# Altium PCB PLC1.PcbDoc (part 3 of 4)
Units mm, origin at the board's own origin, x right, y up, seen from the top; angles counter-clockwise.
Board outline 175 x 81 mm, 2 copper layers (Top Layer, Bottom Layer), stack 1.471 mm thick; 331 components, 300 nets, 1273 pads, 660 vias.
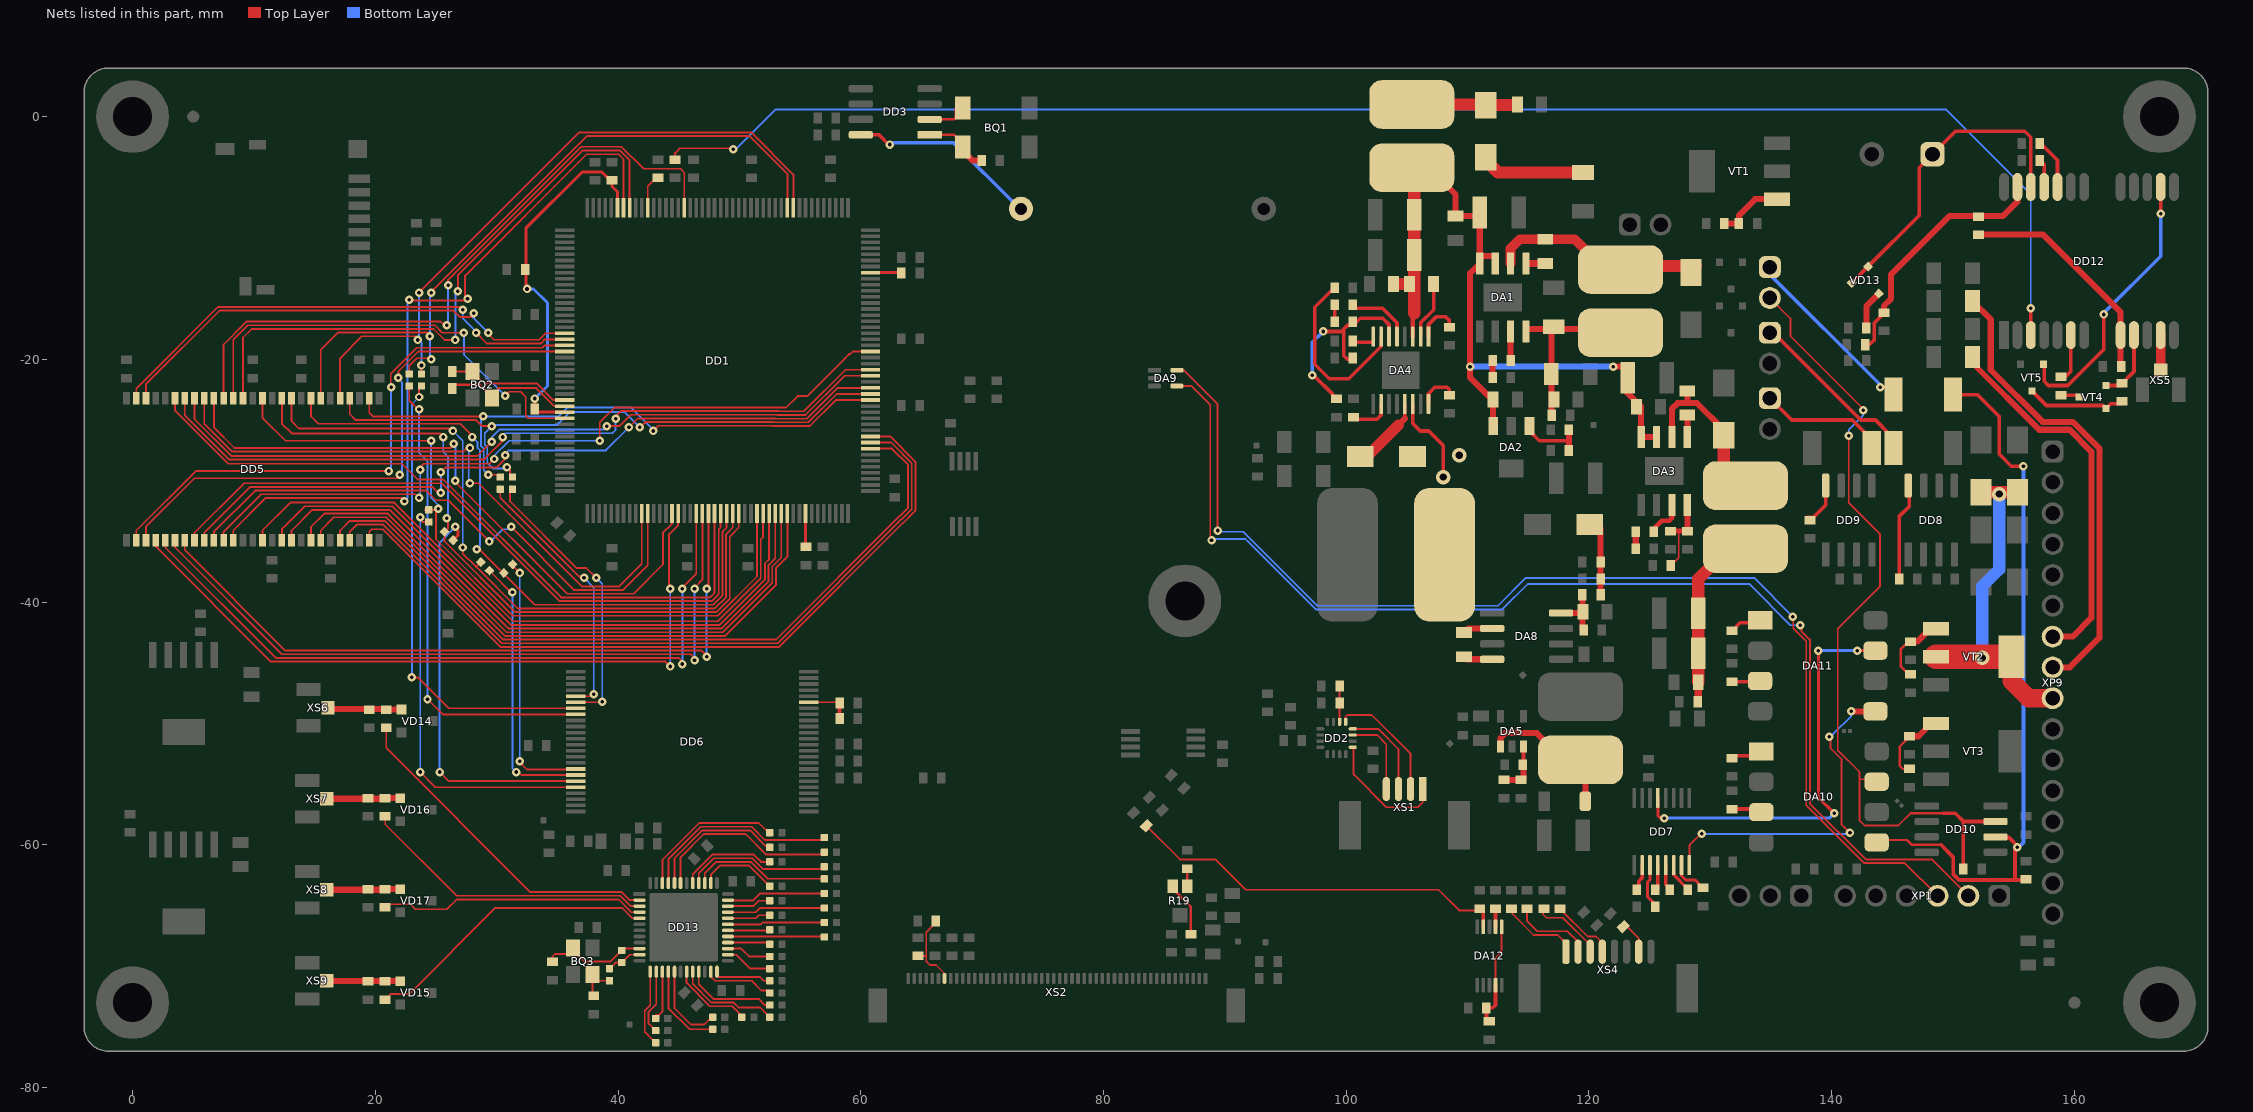
[diagram p3: the nets of this part, all layers, seen from the top]

## Via types
v1: diameter 0.7, hole 0.3, Top Layer to Bottom Layer, tented both sides, 643 vias
v2: diameter 1.2, hole 0.6, Top Layer to Bottom Layer, tented both sides, 16 vias
v3: diameter 0.7, hole 0.3, Top Layer to Bottom Layer, tented top, 1 vias

## Nets (pads, with @x,y where several pads share a name; then routed paths per layer and width w, separated by ;. In a path a pad name is that pad's centre, name@x,y a point inside that pad or via, vN(x,y) a via of type N, cw(c..) or ccw(c..) an arc to the next point about the centre after c; other vN are vias at no path point) (continued)
MEM_A2: DD1.18 DD5.25 | length 40.4
  Top Layer w0.15: DD5.25@1.1,-23.2 1.1,-22.045 7.161,-15.983 26.439,-15.983 26.955,-16.5 27.9,-16.5 28.1,-16.3 v1(28.1,-16.2) ; v1(29.3,-17.8) 29.4,-17.9 29.3,-17.9 29.777,-18.377 33.523,-18.377 34.05,-17.85 DD1.18@35.6,-17.85
  Bottom Layer w0.15: v1(28.1,-16.2) 28.1,-16.3 27.9,-16.3 27.9,-16.4 v1(29.3,-17.8)
MEM_A3: DD1.19 DD5.26 | length 41
  Top Layer w0.15: DD5.26@0.3,-23.2 0.3,-22.417 7.036,-15.681 26.881,-15.681 27.2,-16 v1(27.2,-15.9) ; v1(28.3,-17.8) 29.2,-18.7 33.628,-18.7 33.978,-18.35 DD1.19@35.6,-18.35
  Bottom Layer w0.15: v1(27.2,-15.9) 27.2,-16.6 28.4,-17.8 v1(28.3,-17.8)
MEM_A4: DD1.20 DD5.29 | length 47.1
  Top Layer w0.15: DD5.29@0.3,-34.9 0.3,-34.1 5.2,-29.2 v1(21.1,-29.2) ; v1(21.3,-22.3) 21.272,-22.272 21.272,-21.2 23.427,-19.045 33.755,-19.045 33.95,-18.85 DD1.20@35.6,-18.85
  Bottom Layer w0.15: v1(21.1,-29.2) 21.3,-29.2 v1(21.3,-22.3)
MEM_A5: DD1.21 DD5.30 | length 47.5
  Top Layer w0.15: DD5.30@1.1,-34.9 1.1,-33.8 5.1,-29.8 21.9,-29.8 22.2,-29.5 v1(22,-29.5) ; v1@21.9,-21.6 21.9,-21 23.55,-19.35 DD1.21@35.6,-19.35
  Bottom Layer w0.15: v1(21.9,-21.5) 21.9,-21.6 22.2,-21.9 22.2,-29.5 v1(22,-29.5)
MEM_A6: DD1.60 DD5.31 | length 60
  Top Layer w0.15: DD5.31@1.9,-34.9 1.9,-35.4 11.4,-44.9 43.9,-44.9 v1(44.3,-45.3) ; v1(44.3,-38.9) 44.2,-38.8 44.2,-36.828 44.202,-36.825 44.202,-34.398 44.95,-33.65 DD1.60@44.95,-32.7
  Bottom Layer w0.15: v1(44.3,-45.3) v1(44.3,-38.9)
MEM_A7: DD1.63 DD5.32 | length 60.3
  Top Layer w0.15: DD5.32@2.7,-34.9 2.7,-35.5 11.798,-44.598 44.998,-44.598 45.4,-45 v1(45.3,-45.1) ; v1(45.3,-38.9) 45.3,-38.8 46.45,-37.65 DD1.63@46.45,-32.7
  Bottom Layer w0.15: v1(45.3,-45.1) 45.4,-45 45.3,-44.9 v1(45.3,-38.9)
MEM_A8: DD1.64 DD5.33 | length 59.9
  Top Layer w0.15: DD5.33@3.5,-34.9 3.5,-35.5 12.295,-44.295 45.993,-44.295 46.398,-44.7 46.4,-44.7 v1(46.3,-44.8) ; v1(46.3,-38.9) 46.3,-38.8 46.95,-38.15 DD1.64@46.95,-32.7
  Bottom Layer w0.15: v1(46.3,-44.8) 46.4,-44.7 46.3,-44.6 v1(46.3,-38.9)
MEM_A9: DD1.65 DD5.34 | length 59.7
  Top Layer w0.15: DD5.34@4.3,-34.9 4.3,-35.7 12.593,-43.993 46.893,-43.993 47.4,-44.5 v1(47.3,-44.5) ; v1(47.3,-38.9) 47.4,-38.9 47.45,-38.85 DD1.65@47.45,-32.7
  Bottom Layer w0.15: v1(47.3,-44.5) 47.4,-44.5 47.3,-44.4 v1(47.3,-38.9)
MEM_A10: DD1.66 DD5.22 | length 58.6
  Top Layer w0.15: DD5.22@3.5,-23.2 3.5,-24.228 7.682,-28.41 7.872,-28.6 22.2,-28.6 23.5,-29.9 25.6,-29.9 35.31,-39.61 47.59,-39.61 47.952,-39.248 47.952,-32.702 DD1.66@47.95,-32.7
MEM_A11: DD1.67 DD5.35 | length 56.5
  Top Layer w0.15: DD5.35@5.1,-34.9 5.1,-34.3 9.2,-30.2 9.3,-30.2 9.302,-30.202 25.475,-30.202 35.184,-39.912 47.716,-39.912 48.293,-39.335 48.293,-34.007 48.45,-33.85 DD1.67@48.45,-32.7
MEM_A12: DD1.106 DD5.36 | length 62.7
  Top Layer w0.15: DD5.36@5.9,-34.9 5.9,-34.3 9.695,-30.505 24.705,-30.505 25.1,-30.9 25.5,-30.9 v1(25.4,-31) ; v1(25.4,-29.3) 25.8,-28.9 30,-28.9 30.7,-28.2 30.7,-27.8 v1@30.85,-27.65 ; v1(40.9,-25.6) 41.63,-24.87 52.971,-24.87 52.985,-24.885 55.56,-24.885 58.095,-22.35 DD1.106@60.8,-22.35
  Bottom Layer w0.15: v1(25.4,-31) 25.5,-30.9 25.4,-30.8 v1(25.4,-29.3) ; v1(30.7,-27.9) 30.731,-27.869 30.731,-27.831 30.7,-27.8 31,-27.5 39,-27.5 v1(40.9,-25.6)
MEM_BA0: DD1.108 DD5.20 | length 62.4
  Top Layer w0.15: DD5.20@5.1,-23.2 5.1,-24.2 5.1,-24.928 8.125,-27.953 28.42,-27.953 v1@29.681,-26.691 ; v1(39.075,-25.5) 39.3,-25.5 39.277,-25.477 40.123,-25.477 41.032,-24.568 53.096,-24.568 53.11,-24.582 55.435,-24.582 58.667,-21.35 DD1.108@60.8,-21.35
  Bottom Layer w0.15: v1(29.6,-26.8) 29.6,-26.4 30.219,-25.781 38.819,-25.781 39.2,-25.4 39.3,-25.5 v1(39.075,-25.5)
MEM_BA1: DD1.109 DD5.21 | length 63.9
  Top Layer w0.15: DD5.21@4.3,-23.2 4.3,-24.6 4.753,-25.053 7.955,-28.255 28.945,-28.255 29.823,-27.377 29.839,-27.377 30.5,-26.717 v1(30.5,-26.4) ; v1(39.825,-24.9) 39.875,-24.9 40.025,-24.75 40,-24.725 40,-24.7 39.9,-24.6 40.235,-24.265 53.221,-24.265 53.236,-24.28 55.31,-24.28 58.739,-20.85 DD1.109@60.8,-20.85
  Bottom Layer w0.15: v1(30.5,-26.4) 30.4,-26.4 30.716,-26.084 39.533,-26.084 39.8,-25.817 39.8,-24.8 v1@39.9,-24.7
MEM_D0: DD1.104 DD5.2 R29.2 | length 51
  Top Layer w0.15: DD5.2@19.5,-23.2 19.5,-24.4 19.798,-24.698 v1(28.902,-24.698) ; v1(29.3,-29.5) 30.1,-29.5 R29.2@30.3,-29.7 ; v1(42.9,-25.9) 43.325,-25.475 52.72,-25.475 52.735,-25.489 55.811,-25.489 57.95,-23.35 DD1.104@60.8,-23.35
  Bottom Layer w0.15: v1(29.3,-29.5) 28.927,-29.127 28.927,-27.372 28.72,-27.164 28.72,-24.88 28.9,-24.7 35.1,-24.7 35.825,-23.975 41.075,-23.975 42.9,-25.8 v1(42.9,-25.9)
MEM_D1: DD1.105 DD5.4 R34.2 | length 53.8
  Top Layer w0.15: DD5.4@17.9,-23.2 17.9,-24.5 18.4,-25 28.3,-25 28.8,-25.5 v1(29.6,-25.5) ; v1(30.85,-28.875) 30.975,-28.875 31.1,-29 31.1,-29.5 R34.2@31.3,-29.7 ; v1(41.8,-25.6) 42.227,-25.173 52.845,-25.173 52.86,-25.187 55.685,-25.187 58.022,-22.85 DD1.105@60.8,-22.85
  Bottom Layer w0.15: v1(30.85,-28.875) 30.975,-28.875 31.1,-29 29.7,-29 29.23,-28.53 29.23,-27.246 29.023,-27.039 29.023,-26.077 v1(29.6,-25.5) 29.5,-25.4 35,-25.4 36.077,-24.323 40.523,-24.323 v1(41.8,-25.6)
MEM_D2: DD1.142 DD5.5 R30.2 | length 58.2
  Top Layer w0.15: DD5.5@17.1,-23.2 17.1,-19.9 18.9,-18.1 23.3,-18.1 23.6,-18.4 v1(23.5,-18.4) ; R30.2@23.6,-21.2 23.8,-21 v1@23.8,-20.3 ; v1@23.7,-14.4 36.798,-1.302 50.974,-1.302 54.45,-4.778 DD1.142@54.45,-7.5
  Bottom Layer w0.15: v1(23.6,-14.5) 23.6,-18.4 23.8,-18.6 v1(23.8,-20.5)
MEM_D3: DD1.143 DD5.7 R35.2 | length 60.4
  Top Layer w0.15: DD5.7@15.5,-23.2 15.5,-19.2 16.902,-17.798 24.298,-17.798 v1@24.5,-18 ; R35.2@22.8,-21.2 22.8,-20.528 23.428,-19.9 24.5,-19.9 v1@24.5,-20 ; v1@24.6,-14.428 37.423,-1.605 50.849,-1.605 53.952,-4.708 53.952,-7.498 DD1.143@53.95,-7.5
  Bottom Layer w0.15: 24.55,-14.85 24.5,-14.9 v1(24.5,-18.1) 24.5,-19.9 v1(24.6,-20)
  other v1: 24.6,-14.5
MEM_D4: DD1.68 DD5.8 R31.2 | length 54.8
  Top Layer w0.15: DD5.8@14.7,-23.2 14.7,-24.7 15.302,-25.302 27.002,-25.302 28,-26.3 v1@28,-26.5 ; v1@28.3,-35.6 28.517,-35.6 33.131,-40.214 47.841,-40.214 48.595,-39.46 48.595,-34.205 48.948,-33.852 DD1.68@48.95,-32.7
  Bottom Layer w0.15: v1(28,-26.4) 28.418,-26.818 28.418,-27.29 28.625,-27.497 28.625,-35.375 v1(28.352,-35.648) v1@28.3,-35.7
MEM_D5: DD1.69 DD5.10 R36.2 | length 57.2
  Top Layer w0.15: DD5.10@13.1,-23.2 13.1,-25.1 13.698,-25.698 26.198,-25.698 v1(26.4,-25.9) ; v1(27.2,-35.5) 27.2,-36 28.3,-37.1 ; R36.2@28.7,-36.7 28.3,-37.1 ; DD1.69@49.45,-32.7 49.45,-33.85 48.898,-34.402 48.898,-39.585 47.966,-40.517 31.717,-40.517 28.3,-37.1
  Bottom Layer w0.15: v1(26.4,-25.9) 27.2,-26.7 v1@27.2,-35.15
MEM_D6: DD1.70 DD5.11 R32.2 | length 58.6
  Top Layer w0.15: DD5.11@12.3,-23.2 12.3,-25.3 13.1,-26.1 25.399,-26.1 ; v1@26,-33.1 26,-33.9 R32.2@25.7,-34.2 25.7,-35 31.519,-40.819 48.091,-40.819 49.2,-39.711 49.2,-34.6 49.95,-33.85 DD1.70@49.95,-32.7
  Bottom Layer w0.15: v1@25.6,-26.5 v1@25.7,-26.4 ; v1(25.6,-26.4) 25.6,-27.6 26,-28 v1@26,-33.4
  other v1: 25.9,-33.1
MEM_D7: DD1.73 DD5.13 R37.2 | length 61.5
  Top Layer w0.15: DD5.13@10.7,-23.2 10.7,-24.8 12.6,-26.7 v1(24.6,-26.7) ; R37.2@24.1,-32.4 R37.2@24.7,-32.4 ; 24.8,-32.4 25,-32.4 25,-34.8 31.322,-41.122 48.217,-41.122 51.45,-37.888 DD1.73@51.45,-32.7
  Bottom Layer w0.15: v1@24.822,-26.778 24.6,-27 24.6,-31.4 25.2,-32 25.2,-32.1 24.9,-32.4 25.1,-32.4 v1(25.2,-32.3)
MEM_D8: DD1.74 DD5.42 | length 53.7
  Top Layer w0.15: DD5.42@10.7,-34.9 10.7,-34.1 13,-31.8 21.572,-31.8 31.346,-41.574 48.226,-41.574 51.752,-38.048 51.752,-34.837 51.95,-34.639 DD1.74@51.95,-32.7
MEM_D9: DD1.75 DD5.44 | length 52.7
  Top Layer w0.15: DD5.44@12.3,-34.9 12.3,-34 14.198,-32.102 21.402,-32.102 31.176,-41.876 48.369,-41.876 52.1,-38.145 52.1,-36.817 52.45,-36.467 DD1.75@52.45,-32.7
MEM_D10: DD1.76 DD5.45 | length 52.3
  Top Layer w0.15: DD5.45@13.1,-34.9 13.1,-34.1 14.795,-32.405 21.205,-32.405 30.978,-42.178 48.494,-42.178 52.402,-38.27 52.402,-36.942 52.95,-36.395 DD1.76@52.95,-32.7
MEM_D11: DD1.77 DD5.47 | length 51.3
  Top Layer w0.15: DD5.47@14.7,-34.9 14.7,-33.8 15.793,-32.707 21.034,-32.707 30.808,-42.481 48.619,-42.481 52.705,-38.395 52.705,-37.068 53.45,-36.322 DD1.77@53.45,-32.7
MEM_D12: DD1.78 DD5.48 | length 50.8
  Top Layer w0.15: DD5.48@15.5,-34.9 15.5,-34.1 16.59,-33.01 20.909,-33.01 30.683,-42.783 48.817,-42.783 53.007,-38.593 53.007,-37.193 53.95,-36.25 DD1.78@53.95,-32.7
MEM_D13: DD1.96 DD5.50 | length 63.5
  Top Layer w0.15: DD5.50@17.1,-34.9 17.1,-34.1 17.888,-33.312 20.784,-33.312 30.557,-43.086 53.014,-43.086 63.223,-32.877 63.239,-32.877 63.9,-32.217 63.9,-28.683 62.567,-27.35 DD1.96@60.923,-27.35
MEM_D14: DD1.97 DD5.51 | length 63.8
  Top Layer w0.15: DD5.51@17.9,-34.9 17.9,-34.2 18.486,-33.614 20.659,-33.614 30.432,-43.388 53.141,-43.388 63.349,-33.18 63.364,-33.18 64.202,-32.342 64.202,-28.558 62.494,-26.85 DD1.97@60.8,-26.85
MEM_D15: DD1.98 DD5.53 | length 63.1
  Top Layer w0.15: DD5.53@19.5,-34.9 19.5,-34.2 19.7,-34 20.617,-34 30.307,-43.69 53.266,-43.69 63.474,-33.482 63.49,-33.482 64.505,-32.467 64.505,-28.433 62.422,-26.35 DD1.98@60.8,-26.35
MEM_NBL0: DD1.169 DD5.15 | length 51.4
  Top Layer w0.15: DD5.15@9.1,-23.2 9.1,-18.2 9.805,-17.495 24.795,-17.495 25.7,-18.4 v1(26.6,-18.4) ; v1(26.8,-14.4) 26.8,-13.083 37.106,-2.777 40.15,-2.777 40.95,-3.578 DD1.169@40.95,-7.5
  Bottom Layer w0.15: v1@26.6,-18.6 26.6,-14.6 v1(26.8,-14.4)
MEM_NBL1: DD1.170 DD5.39 | length 61
  Top Layer w0.15: DD5.39@8.3,-34.9 8.3,-34.1 10.988,-31.412 v1@22.212,-31.412 ; v1(22.8,-15.1) 22.652,-15.152 27.348,-15.152 27.4,-15.1 27.6,-15.1 27.4,-14.9 27.4,-13.1 37.4,-3.1 40.045,-3.1 40.45,-3.505 DD1.170@40.45,-7.5
  Bottom Layer w0.15: v1@22.5,-31.6 22.652,-31.448 22.652,-15.248 v1(22.8,-15.1)
  other v1: 22.4,-31.7 27.6,-15
MEM_SDCKE0: DD1.55 DD5.37 | length 47.5
  Top Layer w0.15: DD5.37@6.7,-34.9 6.7,-34.2 10.093,-30.807 24.207,-30.807 25,-31.6 26,-31.6 v1(29.4,-35) ; v1@31.35,-33.65 31.35,-33.95 36.405,-39.005 40.395,-39.005 40.805,-38.595 42.45,-36.95 DD1.55@42.45,-32.7
  Bottom Layer w0.15: v1(29.4,-35) 29.5,-35 30.5,-34 31.1,-34 v1@31.3,-33.8
  other v1: 31.2,-33.8
MEM_SDCLK: DD1.112 DD5.38 | length 63
  Top Layer w0.15: DD5.38@7.5,-34.9 7.5,-34.2 10.59,-31.11 23.31,-31.11 v1(23.6,-31.4) ; v1(23.7,-29.1) 23.7,-28.9 24.002,-28.598 29.402,-28.598 29.8,-28.2 v1(29.808,-28.208) ; v1@38.5,-26.8 v1(38.5,-26.7) 38.498,-26.698 38.498,-25.177 39.712,-23.963 53.346,-23.963 53.361,-23.977 53.839,-23.977 54.794,-23.023 55.577,-23.023 58.623,-19.977 58.639,-19.977 58.977,-19.639 58.977,-19.623 59.052,-19.548 59.152,-19.548 59.35,-19.35 DD1.112@60.8,-19.35
  Bottom Layer w0.15: v1(23.6,-31.4) 23.7,-31.3 v1(23.7,-29.1) ; v1(29.808,-28.208) 29.8,-28.2 29.8,-27.919 31.019,-26.7 v1(38.5,-26.7)
MEM_SDNCAS: DD1.160 DD5.17 | length 55.6
  Top Layer w0.15: DD5.17@7.5,-23.2 7.5,-18.772 9.382,-16.89 25.39,-16.89 25.7,-17.2 v1(25.9,-17.2) ; v1(26,-13.9) 26,-13.455 36.98,-2.475 40.275,-2.475 42.1,-4.3 45.15,-4.3 45.45,-4.6 DD1.160@45.45,-7.5
  Bottom Layer w0.15: v1(25.9,-17.2) v1@26,-17.2 ; v1@26,-17.4 v1(26,-13.9)
MEM_SDNE0: DD1.54 DD5.19 | length 51.1
  Top Layer w0.15: DD5.19@5.9,-23.2 5.9,-25.3 8.202,-27.602 27.198,-27.602 27.6,-27.3 27.7,-27.3 27.76,-27.36 27.76,-27.34 v1(27.8,-27.3) ; DD1.54@41.95,-32.7 41.95,-36.85 40.098,-38.702 37.002,-38.702 28.5,-30.2 v1(27.8,-30.2) ; v1(27.8,-30.2) 27.9,-30.2 v1@27.8,-30.2
  Bottom Layer w0.15: v1(27.8,-27.3) 27.7,-27.4 27.7,-30.1 v1@27.8,-30.2 ; v1(27.8,-30.2) 27.9,-30.2 v1@27.8,-30.2
MEM_SDNRAS: DD1.59 DD5.18 | length 53.3
  Top Layer w0.15: DD5.18@6.7,-23.2 6.7,-25.6 8.4,-27.3 26.2,-27.3 26.5,-27 26.6,-27 26.5,-26.9 26.4,-26.9 v1(26.45,-26.95) ; v1@26.65,-29.95 26.65,-30.15 35.807,-39.307 41.293,-39.307 43.7,-36.9 43.7,-34.3 44.45,-33.55 DD1.59@44.45,-32.7
  Bottom Layer w0.15: v1(26.45,-26.95) 26.4,-26.9 26.5,-26.9 26.6,-27 v1@26.6,-29.95
  other v1: 26.6,-30
MEM_SDNWE: DD1.32 DD5.16 | length 38
  Top Layer w0.15: DD5.16@8.3,-23.2 8.3,-18.4 9.507,-17.193 24.92,-17.193 25.528,-17.8 v1(27.3,-17.8) ; v1(30.7,-23) 31.027,-22.673 31.97,-22.673 32.4,-23.102 32.4,-24.65 32.6,-24.85 DD1.32@35.6,-24.85
  Bottom Layer w0.15: v1(27.3,-17.8) 27.3,-19.6 v1(30.7,-23)
NetBQ1_1: BQ1.1 C67.2 DD3.1 | length 5.5
  Top Layer w0.15: BQ1.1@68.4,-2.5 BQ1.1@68.4,-2.2
  Top Layer w0.2: DD3.1@65.675,-1.5 67.7,-1.5 BQ1.1@68.4,-2.2
  Top Layer w0.5: BQ1.1@68.25,-2.65 69.2,-3.6 C67.2@70,-3.6
NetBQ1_2: BQ1.2 DD3.2 | length 3
  Top Layer w0.15: BQ1.2@67.8,-0.1 BQ1.2@67.8,0.7
  Top Layer w0.2: DD3.2@65.675,-0.23 67.67,-0.23 BQ1.2@67.8,-0.1
NetBQ2_1: BQ2.1 C83.2 DD1.30 | length 10.2
  Top Layer w0.15: BQ2.1@29.6,-23.2 30.1,-22.7 30.1,-22.37 33.27,-22.37 34.75,-23.85 DD1.30@35.6,-23.85
  Top Layer w0.2: C83.2@26.5,-22.1 28.6,-22.1 BQ2.1@29.15,-22.65
  Top Layer w0.3: C83.2@26.35,-22.5 C83.2@26.5,-22.5
NetBQ2_2: BQ2.2 C82.2 DD1.29 | length 10.3
  Top Layer w0.15: BQ2.2@28,-21 28.998,-21.998 33.325,-21.998 34.678,-23.35 DD1.29@35.6,-23.35
  Top Layer w0.2: C82.2@26.3,-21 BQ2.2@28,-21
NetBQ3_1: BQ3.1 C126.2 DD13.10 R106.1 | length 8.7
  Top Layer w0.15: C126.2@34.6,-69.65 34.6,-69.2 34.8,-69 35.8,-69 BQ3.1@36.3,-68.5 36.3,-68.7 37.2,-69.6 39.4,-69.6 R106.1@40.3,-68.7 ; R106.1@40.45,-68.55 DD13.10@41.775,-68.55
NetBQ3_2: BQ3.2 C125.2 R105.1 | length 3.4
  Top Layer w0.15: C125.2@38,-72.45 37.9,-72.35 BQ3.2@37.9,-70.7 38.4,-71.2 R105.1@39.3,-71.2
NetC1_2: C1.2 L1.2 VD1.2 | length 8.7
  Top Layer w0.3: VD1.2@111.45,1 VD1.2@111.5,0.95
  Top Layer w1: L1.2@105.4,1 VD1.2@111.45,1 ; VD1.2@111.5,0.95 C1.2@114.05,0.95
NetC2_2: C2.2 C3.2 C4.2 C5.2 C13.2 C14.2 C15.1 C16.2 C25.2 DA1.7 DA1.8 DA2.3 DA3.7 DA3.8 DA4.3 L1.1 | length 64.2
  Top Layer w0.3: C25.2@105.2,-13.8 C25.2@105.475,-14.075
  Top Layer w0.4: DA4.3@105.475,-18.125 105.475,-16.325
  Top Layer w0.5: L1.1@105.4,-4.6 L1.1@105.6,-4.8 ; L1.1@107,-4.4 109,-6.4 C13.2@109,-8.2 C3.2@110.9,-8.2 ; DA1.8@110.995,-12.1 110.2,-12.895 110.2,-21.5 112,-23.3 C16.2@112.1,-23.3 DA2.3@112.1,-25.5 ; C3.2@111,-7.9 111,-12.095 111.095,-11.5 DA1.7@112.3,-11.5 ; C4.2@123.2,-21.5 C4.2@123.1,-21.4 ; C14.2@124.295,-24.305 DA3.8@124.295,-26.4 DA3.7@125.565,-26.4 ; C14.2@124.3,-24.3 124.3,-23.9 123.1,-22.7 C4.2@123.1,-21.4 ; v1(122,-20.6) 121.9,-20.6 v1(122,-20.6) ; v1(122,-20.6) 122.9,-20.6 123,-20.5 123,-21.3 C4.2@123.1,-21.4
  Top Layer w1: C15.1@104.1,-13.8 C25.2@105,-13.8 ; 105.6,-16.2 C5.2@105.6,-11.4 C2.2@105.6,-8.1 L1.1@105.6,-4.8 ; L1.1@105.6,-4.4 L1.1@107,-4.4
  Bottom Layer w0.5: v1(110.2,-20.6) v1(122,-20.6)
NetC24_1: C24.1 DA4.6 R10.1 R11.2 | length 17.3
  Top Layer w0.3: v1(97.2,-21.3) 97.3,-21.3 98.9,-22.9 R10.1@98.9,-23.35 ; v1(98.1,-17.7) 99.8,-17.7 ; R11.2@100.55,-20 100.1,-20 99.8,-19.7 99.8,-17.7 ; DA4.6@103.525,-18.125 103.525,-17.125 103,-16.6 101.15,-16.6 100.55,-17.2 100.1,-17.2 99.8,-17.5 99.8,-17.7
  Bottom Layer w0.3: v1(97.2,-21.3) 97.3,-21.3 97.2,-21.4 97.2,-18.6 v1(98.1,-17.7) v1@98.1,-17.6
NetC24_2: C24.2 R1.1 | length 1.4
  Top Layer w0.3: C24.2@99.05,-17.2 R1.1@99.05,-15.8
NetC25_1: C25.1 DA4.2 | length 4.8
  Top Layer w0.3: DA4.2@106.125,-18.125 106.125,-16.975 107.2,-15.9 C25.1@107.2,-13.8
NetC26_1: C26.1 DA4.8 | length 1.7
  Top Layer w0.3: C26.1@100.55,-18.6 DA4.8@102.2,-18.6
NetC27_2: C27.2 DA4.10 | length 3.1
  Top Layer w0.3: C27.2@100.852,-24.948 102.513,-24.948 102.875,-24.585 DA4.10@102.875,-23.675
NetC28_1: C28.1 DA1.6 L2.2 VD2.2 | length 17.8
  Top Layer w0.8: DA1.6@113.535,-12.1 113.535,-10.865 114.3,-10.1 C28.1@116.4,-10.1 118.8,-10.1 121.3,-12.6 L2.2@122.6,-12.6
  Top Layer w1: L2.2@122.65,-12.3 VD2.2@128.8,-12.3
NetC28_2: C28.2 DA1.5 | length 1.6
  Top Layer w0.6: DA1.5@114.805,-12.1 C28.2@116.4,-12.1
NetC29_1: C29.1 DA3.6 L3.2 VD3.2 | length 11.6
  Top Layer w0.5: DA3.6@126.835,-26.4 126.835,-24.065 127.3,-23.6 128.9,-23.6 131.1,-25.8 VD3.2@131.1,-26.25 VD3.2@131.15,-26.2 ; 128.1,-23.6 C29.1@128.1,-22.6
  Top Layer w1: L3.2@131.1,-28.6 VD3.2@131.1,-26.25
NetC29_2: C29.2 DA3.5 | length 1.8
  Top Layer w0.5: C29.2@128.1,-24.6 128.1,-26.395 DA3.5@128.105,-26.4
NetC30_2: C30.2 R5.1 | length 1.4
  Top Layer w0.5: C30.2@123.85,-35.6 R5.1@123.85,-34.2
NetC31_2: C31.2 R6.1 | length 1.4
  Top Layer w0.5: C31.2@112.05,-21.5 R6.1@112.05,-20.1
NetC33_1: C33.1 DA3.4 R7.2 R8.1 | length 7.3
  Top Layer w0.15: R8.1@126.7,-34.15 127.35,-34.15 127.4,-34.2 127.4,-36.35 C33.1@126.75,-37
  Top Layer w0.4: R8.1@126.7,-34.15 R7.2@128.1,-34.15
  Top Layer w0.5: R7.2@128.1,-34.15 128.105,-34.145 DA3.4@128.105,-32
NetC35_2: C35.2 C39.2 C41.2 DA1.4 L2.1 L5.2 | length 12.3
  Top Layer w0.5: DA1.4@114.8,-17.5 L2.1@120.2,-17.5 ; L5.2@116.9,-24.2 116.9,-22.4 C35.2@116.9,-17.3
NetC36_2: C36.2 C40.2 C42.2 L3.1 L6.2 | length 15.2
  Top Layer w0.6: L6.2@129,-48.05 C42.2@129,-46.6
  Top Layer w1: C42.2@129,-46.6 129,-40.7 129,-38.1 132.2,-34.9 L3.1@132.9,-34.9
NetC37_1: C37.1 DA4.1 | length 3.7
  Top Layer w0.3: DA4.1@106.775,-18.125 106.775,-17.125 107.4,-16.5 108.2,-16.5 108.5,-16.8 C37.1@108.5,-17.35
NetC38_1: C38.1 DA4.16 | length 3.3
  Top Layer w0.3: DA4.16@106.775,-23.675 106.775,-22.825 107.3,-22.3 108.3,-22.3 108.5,-22.5 C38.1@108.5,-22.95
NetC49_2: C49.2 L7.2 R12.1 VD5.1 | length 5.5
  Top Layer w0.5: L7.2@120.95,-39.4 C49.2@120.95,-38.1 VD5.1@120.95,-33.9
NetC53_2: C53.2 C54.2 DA8.8 L7.1 | length 4.5
  Top Layer w0.5: DA8.8@117.7,-40.9 C54.2@119.35,-40.9 ; C53.2@119.45,-42.2 L7.1@119.45,-39.4
NetC55_1: C55.1 DA5.3 R13.2 R14.1 | length 4.1
  Top Layer w0.3: R14.1@114.6,-53.55 DA5.3@114.6,-51.9
  Top Layer w0.5: C55.1@113,-54.65 R13.2@114.4,-54.65 ; R13.2@114.6,-54.65 R14.1@114.6,-53.55
NetC59_1: C59.1 DA8.4 | length 2.4
  Top Layer w0.5: C59.1@109.7,-44.5 109.91,-44.71 DA8.4@112.025,-44.71
NetC59_2: C59.2 DA8.2 | length 2.5
  Top Layer w0.5: C59.2@109.7,-42.5 110.03,-42.17 DA8.2@112.025,-42.17
NetC74_1: C74.1 R24.2 XS2.44 | length 6.5
  Top Layer w0.15: C74.1@64.6,-69.15 65.4,-69.15 ; 65.4,-67.2 65.4,-69.15 ; 65.425,-67.175 R24.2@66.1,-66.5 ; XS2.44@66.9,-71 66.9,-70.6 66.2,-69.9 65.7,-69.9 65.4,-69.6 65.4,-69.15
NetC76_1: C76.1 DD1.125 | length 2.5
  Top Layer w0.254: DD1.125@60.8,-12.85 C76.1@63.3,-12.85
NetC77_1: C77.1 C81.1 DD1.31 DD1.171 R26.1 | length 30.7
  Top Layer w0.254: v1@32.25,-14.2 v1(32.5,-14.2) ; v1@32.4,-14.1 32.4,-9.2 37.025,-4.575 38.675,-4.575 39.35,-5.25 C81.1@39.5,-5.25 39.5,-5.75 39.95,-6.2 DD1.171@39.95,-7.5 ; R26.1@33.15,-24.1 v1(33.15,-23.225) v1@33.15,-23.15 ; R26.1@33.2,-24.35 DD1.31@35.6,-24.35
  Bottom Layer w0.254: v1(32.5,-14.2) 33.04,-14.2 34.187,-15.347 34.187,-22.188 v1(33.15,-23.225)
NetC78_1: C78.1 DD1.81 | length 2.8
  Top Layer w0.254: C78.1@55.45,-35.5 DD1.81@55.45,-32.7
NetC85_1: C85.1 DD6.19 R38.2 | length 3.9
  Top Layer w0.15: DD6.19@55.7,-48.25 R38.2@58.2,-48.25 ; C85.1@58.2,-49.55 C85.1@58.25,-49.6
  Top Layer w0.3: C85.1@58.25,-49.6 R38.2@58.25,-48.3
NetC97_1: C97.1 DD7.2 | length 1.9
  Top Layer w0.15: DD7.2@124.375,-61.675 DD7.2@124.4,-61.7
  Top Layer w0.3: C97.1@124.1,-63.45 124.1,-63 124.375,-62.725 DD7.2@124.375,-61.675
NetC97_2: C97.2 DD7.4 | length 2
  Top Layer w0.15: C97.2@125.675,-63.525 C97.2@125.75,-63.6
  Top Layer w0.3: C97.2@125.675,-63.525 DD7.4@125.675,-61.675
NetC98_1: C98.1 DD7.5 | length 2.1
  Top Layer w0.254: DD7.5@126.325,-61.675 126.325,-63.275 C98.1@126.65,-63.6
NetC98_2: C98.2 DD7.6 | length 2.4
  Top Layer w0.254: DD7.6@126.975,-61.675 126.975,-62.475 128.1,-63.6 C98.2@128.15,-63.6
NetC101_1: C101.1 DD7.7 | length 3.1
  Top Layer w0.254: DD7.7@127.625,-61.675 127.625,-62.55 127.975,-62.9 128.75,-62.9 C101.1@129.4,-63.55
NetC103_1: C103.1 DD7.3 | length 3.8
  Top Layer w0.254: DD7.3@125.025,-61.675 125.025,-62.875 124.804,-63.096 124.804,-64.204 124.821,-64.221 124.821,-64.266 125.45,-64.895 C103.1@125.45,-65.1
NetC111_1: C111.1 DD12.8 R71.2 | length 18.7
  Top Layer w0.5: R71.2@152.25,-9.7 157.4,-9.7 163.8,-16.1 DD12.8@163.8,-18 163.8,-20.55 C111.1@163.85,-20.6
NetC112_1: C112.1 DD12.23 L12.2 R71.1 | length 21
  Top Layer w0.3: L12.2@142.75,-18.8 143.1,-18.8 143.502,-18.398 143.502,-17 143.702,-16.8 143.702,-16.798 144.2,-16.3 C112.1@144.2,-16.15
  Top Layer w0.5: C112.1@144.2,-16.15 144.3,-16.05 144.3,-15.6 144.9,-15 144.9,-13 149.7,-8.2 154.1,-8.2 155.3,-7 DD12.23@155.3,-5.8
NetC114_1: C114.1 DD12.22 VD13.1 VD13.2 | length 26.3
  Top Layer w0.3: VD13.2@141.65,-13.694 VD13.1@142.994,-12.35 147.2,-8.144 147.2,-4.2 147.6,-3.8 C114.1@148.3,-3.8 ; C114.1@148.3,-3.1 150.2,-1.2 155.9,-1.2 156.4,-1.7 DD12.22@156.4,-5.8
NetC115_2: C115.2 DA12.2 | length 1.5
  Top Layer w0.3: DA12.2@112.3,-66.75 C115.2@112.3,-65.25
NetC116_1: C116.1 C117.1 DA12.4 | length 32.1
  Top Layer w0.15: C116.1@83.45,-58.35 86.3,-61.2 89.222,-61.2 91.722,-63.7 107.6,-63.7 109.3,-65.4 C117.1@111.3,-65.4
  Top Layer w0.3: DA12.4@111.3,-66.75 C117.1@111.3,-65.4
NetC118_2: C118.2 DA12.1 DA12.9 L13.2 | length 8.8
  Top Layer w0.15: DA12.9@112.3,-71.55 112.3,-69.3 112.8,-68.8 DA12.1@112.8,-66.75
  Top Layer w0.3: L13.2@111.55,-74.7 C118.2@111.55,-73.425 112.075,-73.425 112.3,-73.2 DA12.9@112.3,-71.55
NetC127_1: C127.1 R108.1 VD14.1 XS6.1 | length 6
  Top Layer w0.5: XS6.1@16.2,-48.8 C127.1@20.95,-48.8 ; C127.1@20.9,-48.85 VD14.1@22.15,-48.85
NetC127_2: C127.2 DD13.2 | length 27.9
  Top Layer w0.15: C127.2@20.9,-50.15 20.9,-52.017 32.779,-63.895 40.306,-63.895 40.961,-64.55 DD13.2@41.775,-64.55
NetC128_1: C128.1 DD13.5 | length 24.5
  Top Layer w0.15: C128.1@20.8,-72.75 21.25,-72.3 22.8,-72.3 29.9,-65.2 40.328,-65.2 41.178,-66.05 DD13.5@41.775,-66.05
NetC128_2: C128.2 R107.2 VD15.1 XS9.1 | length 6.1
  Top Layer w0.15: VD15.1@22,-71.2 VD15.1@22.05,-71.25
  Top Layer w0.5: XS9.1@16,-71.2 VD15.1@22,-71.2
NetC129_1: C129.1 DD13.3 | length 24.4
  Top Layer w0.15: C129.1@20.825,-57.625 20.825,-58.325 26.698,-64.198 40.181,-64.198 41.033,-65.05 DD13.3@41.775,-65.05
NetC129_2: C129.2 R110.1 VD16.1 XS7.1 | length 6
  Top Layer w0.5: XS7.1@16,-56.2 C129.2@20.75,-56.2 ; C129.2@20.8,-56.15 VD16.1@22.05,-56.15
NetC130_1: C130.1 DD13.4 | length 22
  Top Layer w0.15: C130.1@20.8,-65.15 21.05,-64.9 22.9,-64.9 23.3,-65.3 25.9,-65.3 26.7,-64.5 40.055,-64.5 41.105,-65.55 DD13.4@41.775,-65.55
NetC130_2: C130.2 R109.2 VD17.1 XS8.1 | length 6
  Top Layer w0.5: XS8.1@16,-63.7 C130.2@20.75,-63.7 ; C130.2@20.8,-63.65 VD17.1@22.05,-63.65
NetDA1_3: DA1.3 R6.2 | length 2.4
  Top Layer w0.5: DA1.3@113.535,-17.7 113.535,-20.085 R6.2@113.55,-20.1
NetDA2_1: DA2.1 R3.2 R4.1 | length 5.4
  Top Layer w0.3: DA2.1@115.1,-25.9 115.9,-26.7 118.35,-26.7
  Top Layer w0.5: DA2.1@115.1,-25.9 DA2.1@115.1,-25.5 ; R3.2@118.35,-27.5 118.35,-26.7 R4.1@118.35,-26.1
NetDA3_3: DA3.3 R5.2 | length 3.2
  Top Layer w0.4: R5.2@125.35,-34.2 125.35,-33.95 126,-33.3 126.6,-33.3 126.835,-33.065 DA3.3@126.835,-32.665
  Top Layer w0.5: DA3.3@126.835,-32.665 DA3.3@126.835,-32
NetDA4_5: DA4.5 R1.2 | length 5.3
  Top Layer w0.3: R1.2@100.55,-15.8 103,-15.8 104.175,-16.975 DA4.5@104.175,-18.125
NetDA4_7: DA4.7 R2.2 | length 14.6
  Top Layer w0.3: R2.2@98.8,-14.3 97.4,-15.7 97.4,-20.4 98.6,-21.6 100.2,-21.6 102.875,-18.925 DA4.7@102.875,-18.125
NetDA4_13: DA4.13 VD4.1 | length 6.2
  Top Layer w0.3: VD4.1@101.15,-28 VD4.1@101.7,-28 ; 104.825,-24.875 DA4.13@104.825,-23.675
  Top Layer w0.5: 104.3,-25.4 104.825,-24.875
  Top Layer w0.9: VD4.1@101.7,-28 104.3,-25.4
NetDA4_14: DA4.14 L4.2 VD4.2 | length 7.5
  Top Layer w0.3: VD4.2@105.45,-28 VD4.2@105.475,-27.975 ; DA4.14@105.475,-23.675 105.475,-25.275 106.1,-25.9 106.8,-25.9 108,-27.1 v2(108,-29.7)
  other v2: 109.3,-27.9
NetDA5_1: DA5.1 L8.1 VD6.1 | length 11.1
  Top Layer w0.5: DA5.1@112.7,-51.9 112.7,-51.2 113.1,-50.8 115.7,-50.8 117.9,-53 L8.1@118.4,-53.1 ; L8.1@119.3,-53 119.7,-53.4 VD6.1@119.7,-56.4
NetDA9_4: DA9.4 XP1.2 | length 100.2
  Top Layer w0.15: DA9.4@86.05,-22.2 87.272,-22.2 88.8,-23.728 88.8,-34.7 88.9,-34.8 v1(88.9,-34.9) 89.089,-35.089 v1(88.9,-34.9) ; v1(137.4,-41.9) 137.386,-41.914 137.386,-41.986 137.5,-42.1 137.5,-42.389 138.202,-43.092 138.202,-56.602 142.798,-61.198 148.258,-61.198 XP1.2@151.26,-64.2
  Bottom Layer w0.15: v1(88.9,-34.9) 89.089,-35.089 v1(88.9,-34.9) 88.9,-34.8 91.7,-34.8 91.891,-34.991 97.502,-40.602 112.87,-40.602 114.972,-38.5 133.2,-38.5 136.6,-41.9 v1(137.4,-41.9)
NetDA9_5: DA9.5 XP1.3 | length 97.5
  Top Layer w0.15: DA9.5@86.05,-20.9 86.6,-20.9 89.4,-23.7 v1(89.4,-34.1) ; v1@89.3,-34.1 v1@89.4,-34 ; v1(136.8,-41.2) 136.822,-41.222 136.822,-42.139 137.9,-43.217 137.9,-56.728 142.672,-61.5 146.02,-61.5 XP1.3@148.72,-64.2
  Bottom Layer w0.15: v1(89.4,-34.1) 89.4,-33.9 89.7,-34.2 91.528,-34.2 97.628,-40.3 112.5,-40.3 114.8,-38 133.6,-38 v1(136.8,-41.2)
NetDA10_1: DA10.1 R49.2 | length 2.6
  Top Layer w0.3: R49.2@131.8,-52.65 133.65,-52.65 DA10.1@134.2,-52.1
NetDA10_3: DA10.3 R46.2 | length 2.4
  Top Layer w0.3: R46.2@131.8,-57.05 DA10.3@134.15,-57.05
NetDA10_5: DA10.5 DD10.6 R43.1 R44.2 | length 61.1
  Top Layer w0.2: DA10.5@143.7,-59.6 146.2,-59.6 146.6,-60 149,-60
  Top Layer w0.3: 149,-60 150,-61 150,-62.406 150.494,-62.9 R44.2@155.8,-62.9 ; R43.1@150,-22.9 152,-22.9 153.8,-24.7 153.8,-27.8 154.8,-28.8 v1(155.8,-28.8) v1@155.9,-28.8 ; DD10.6@153.6,-59.4 154.6,-59.4 155.4,-60.2 v1(155.3,-60.2) 155.1,-60.4 155.1,-62.9
  Bottom Layer w0.3: v1(155.3,-60.2) 155.4,-60.2 155.8,-59.8 v1(155.8,-28.8)
NetDA10_7: DA10.7 DD10.7 R45.1 XP2.2 | length 67.8
  Top Layer w0.15: XP2.2@134.9,-14.94 136.6,-16.64 136.6,-18.1 142.7,-24.2 v1(142.6,-24.2) ; v1(141.4,-26.3) 141.4,-26.4 141.3,-26.5 141.4,-26.6 141.4,-31.8 143.973,-34.373 143.973,-38.727 140.5,-42.2 140.5,-52.2 142.3,-54 142.3,-54.6 ; DA10.7@143.7,-54.6 142.3,-54.6 ; 146.5,-57.4 145.5,-58.4 142.7,-58.4 142.3,-58 142.3,-54.6
  Top Layer w0.2: 146.5,-57.402 149.2,-57.402
  Top Layer w0.3: 149.2,-57.402 149.202,-57.4 150.175,-57.4 150.85,-58.075 ; R45.1@150.85,-62 150.85,-58.075 ; DD10.7@153.5,-58.075 150.85,-58.075
  Bottom Layer w0.15: v1@141.4,-26.5 141.4,-25.8 142.6,-24.6 v1(142.6,-24.2)
NetDA11_1: DA11.1 R50.2 | length 2.7
  Top Layer w0.3: R50.2@131.8,-42.35 132.45,-41.7 133.9,-41.7 DA11.1@134.1,-41.5
NetDA11_3: DA11.3 R47.2 | length 2.3
  Top Layer w0.3: R47.2@131.8,-46.55 DA11.3@134.05,-46.55
NetDA11_5: DA11.5 DD7.8 | length 29.5
  Top Layer w0.15: DD7.8@128.275,-61.675 128.275,-60.025 v1@129.4,-58.9 ; v1(139.8,-51.1) 139.8,-51 139.9,-50.9 139.9,-52.028 140.8,-52.928 140.8,-58.3 v1(141.5,-59)
  Top Layer w0.5: v1(141.6,-49) DA11.5@143.6,-49
  Bottom Layer w0.15: v1(129.3,-59.1) 141.4,-59.1 v1(141.5,-59) ; v1(139.8,-51.1) 139.8,-51 139.9,-50.9 140.1,-50.9 ; v1@140,-50.9 140.1,-50.9 ; v1(141.6,-49) 141.6,-49.4 140.1,-50.9
NetDA11_7: DA11.7 DD7.13 | length 34.9
  Top Layer w0.254: DD7.13@125.675,-56.125 125.675,-57.575 125.9,-57.8 v1(126.2,-57.8) ; v1(138.9,-44) 138.9,-56.1 v1(140.2,-57.4) ; v1(142.1,-44) DA11.7@143.6,-44
  Bottom Layer w0.254: v1(126.2,-57.8) 139.8,-57.8 v1(140.2,-57.4) ; v1(138.9,-44) v1(142.1,-44)
NetDD1_166: DD1.166 R25.1 | length 2.9
  Top Layer w0.15: DD1.166@42.45,-7.5 42.45,-5.75 43.15,-5.05 R25.1@43.3,-5.05
NetDD2_1: DD2.1 XS1.2 | length 10.1
  Top Layer w0.15: DD2.1@99.95,-49.875 DD2.1@99.95,-49.685 99.95,-49.45 100.1,-49.3 102.1,-49.3 105.3,-52.5 XS1.2@105.3,-55.4
NetDD2_2: DD2.2 R15.1 R16.1 | length 3.3
  Top Layer w0.15: DD2.2@99.45,-49.875 DD2.2@99.45,-49.685 R16.1@99.45,-48 ; R16.1@99.45,-48.3 R15.1@99.45,-46.9
NetDD2_13: DD2.13 XS1.1 | length 10.4
  Top Layer w0.15: DD2.13@100.525,-51.95 100.6,-52.025 100.6,-54.2 103.3,-56.9 105.9,-56.9 106.3,-56.5 XS1.1@106.3,-55.4
NetDD2_15: DD2.15 XS1.4 | length 6.8
  Top Layer w0.15: DD2.15@100.525,-50.95 DD2.15@100.715,-50.95 102.55,-50.95 103.3,-51.7 XS1.4@103.3,-55.4
NetDD2_16: DD2.16 XS1.3 | length 7.8
  Top Layer w0.15: DD2.16@100.525,-50.45 DD2.16@100.715,-50.45 102.65,-50.45 104.3,-52.1 XS1.3@104.3,-55.4
NetDD3_8: DD3.8 GB1.2 | length 15.4
  Top Layer w0.3: DD3.8@60,-1.5 61.5,-1.5 v1@62.35,-2.35
  Bottom Layer w0.3: v1(62.4,-2.3) 62.4,-2.4 62.652,-2.148 67.648,-2.148 GB1.2@72.8,-7.3
NetDD6_29: DD6.29 R29.1 | length 22
  Top Layer w0.15: R29.1@30.3,-30.7 30.3,-31.4 36.8,-37.9 37.3,-37.9 v1(37.2,-38) ; DD6.29@36.5,-47.75 37.85,-47.75 v1(38,-47.6)
  Bottom Layer w0.15: v1(37.2,-38) 38,-38.8 v1(38,-47.6)
NetDD6_30: DD6.30 R34.1 | length 23.6
  Top Layer w0.15: R34.1@31.3,-30.7 31.1,-30.9 31.1,-31.7 36.6,-37.2 37.4,-37.2 v1(38.2,-38) ; DD6.30@36.5,-48.25 38.65,-48.25 v1(38.7,-48.2)
  Bottom Layer w0.15: v1(38.2,-38) 38.7,-38.5 v1(38.7,-48.2) 38.65,-48.15 v1@38.7,-48.1
NetDD6_31: DD6.31 R30.1 | length 39
  Top Layer w0.15: v1(23,-46.2) 23.495,-46.2 26.045,-48.75 DD6.31@36.5,-48.75 ; v1@23.6,-23.3 R30.1@23.6,-22.2
  Bottom Layer w0.15: v1(23,-46.2) 23.023,-46.2 23.023,-23.677 v1(23.6,-23.1)
NetDD6_32: DD6.32 R35.1 | length 39.3
  Top Layer w0.15: R35.1@22.8,-22.2 22.8,-23.4 23.6,-24.2 v1(23.6,-24.1) ; v1(24.3,-48) 25.55,-49.25 DD6.32@36.5,-49.25
  Bottom Layer w0.15: v1(23.6,-24.1) 23.6,-27.7 24.298,-28.398 24.298,-47.998 v1(24.3,-48)
NetDD6_41: DD6.41 R31.1 | length 21.4
  Top Layer w0.15: R31.1@31.307,-36.893 31.307,-37.007 v1(31.9,-37.6) ; v1@31.85,-53.15 32.5,-53.8 DD6.41@36.5,-53.8
  Bottom Layer w0.15: v1(31.9,-53.1) v1(31.9,-37.6)
NetDD6_42: DD6.42 R36.1 | length 22.7
  Top Layer w0.15: R36.1@29.407,-37.407 31.3,-39.3 v1(31.3,-39.2) ; v1(31.6,-54) 31.8,-54 32.05,-54.25 DD6.42@36.5,-54.25
  Bottom Layer w0.15: v1(31.3,-39.2) 31.3,-53.7 v1(31.6,-54)
NetDD6_43: DD6.43 R32.1 | length 33.4
  Top Layer w0.15: v1(25.3,-54) 26.05,-54.75 DD6.43@36.5,-54.75
  Top Layer w0.254: R32.1@26.407,-34.907 26.8,-34.514 26.8,-34.1
  Bottom Layer w0.15: v1@25.15,-54.15 v1(25.3,-54) 25.3,-35.1 v1(26.6,-33.8)
NetDD6_44: DD6.44 R37.1 | length 35.1
  Top Layer w0.15: v1@23.5,-33 23.9,-33.4 R37.1@24.1,-33.4 ; v1(23.7,-54) 24.95,-55.25 DD6.44@36.5,-55.25
  Bottom Layer w0.15: v1(23.7,-54) v1(23.7,-33)
NetDD8_8: DD8.8 R39.1 | length 8.1
  Top Layer w0.3: R39.1@145.55,-38.1 145.55,-32.95 146.4,-32.1 DD8.8@146.4,-30.4
NetDD9_8: DD9.8 R40.1 | length 3.5
  Top Layer w0.3: R40.1@138,-33 138.5,-33 139.5,-32 DD9.8@139.5,-30.4
NetDD12_3: DD12.3 R64.2 | length 128.3
  Top Layer w0.15: R64.2@44.7,-3.55 44.7,-3 45.1,-2.6 49.4,-2.6 v1(49.5,-2.7)
  Top Layer w0.3: DD12.3@156.4,-18 v1(156.4,-15.8)
  Bottom Layer w0.15: v1(49.5,-2.7) 49.7,-2.7 53,0.6 149.4,0.6 156.4,-6.4 v1(156.4,-15.8)
NetDD12_6: DD12.6 R73.1 | length 3.8
  Top Layer w0.3: R73.1@159.1,-21.45 159.25,-21.45 159.7,-21 DD12.6@159.7,-18
NetDD12_9: DD12.9 R72.2 VT4.2 | length 5.9
  Top Layer w0.3: VT4.2@162.6,-22.15 163.9,-22.15 163.9,-22 164.9,-21 DD12.9@164.9,-18
NetDD12_11: DD12.11 XS5.1 | length 2.6
  Top Layer w0.8: XS5.1@167.1,-20.5 DD12.11@167.1,-17.9
NetDD12_14: DD12.14 VT5.1 | length 23
  Top Layer w0.3: VT5.1@157.45,-20.4 157.5,-20.45 157.5,-21.8 157.85,-22.15 159.45,-22.15 162.4,-19.2 v1(162.4,-16.3) ; v1(167.1,-8) DD12.14@167.1,-5.8
  Bottom Layer w0.3: v1(162.4,-16.3) 162.4,-16.2 167.1,-11.5 v1(167.1,-8)
NetDD12_20: DD12.20 R63.2 | length 3.9
  Top Layer w0.3: R63.2@157.15,-2.2 157.2,-2.2 158.6,-3.6 DD12.20@158.6,-5.5
NetDD12_21: DD12.21 R62.2 | length 2.3
  Top Layer w0.3: R62.2@157.15,-3.6 157.5,-3.95 DD12.21@157.5,-5.8
NetDD13_11: DD13.11 R105.2 R106.2 | length 3
  Top Layer w0.15: R105.2@39.3,-70.2 39.8,-69.7 R106.2@40.3,-69.7 40.95,-69.05 DD13.11@41.775,-69.05
NetDD13_13: DD13.13 R101.1 | length 6.4
  Top Layer w0.15: DD13.13@42.65,-70.45 42.65,-73.222 42.2,-73.672 42.2,-75.4 42.8,-76 R101.1@43.1,-76.3
NetDD13_14: DD13.14 R102.1 | length 5.4
  Top Layer w0.15: R102.1@43.1,-75.3 42.8,-75 42.502,-74.702 42.502,-73.798 43.15,-73.15 DD13.14@43.15,-70.45
NetDD13_15: DD13.15 R103.1 | length 4
  Top Layer w0.15: 43.1,-74 43.4,-74 43.65,-73.75 DD13.15@43.65,-70.45
NetDD13_16: DD13.16 R104.1 | length 7.4
  Top Layer w0.15: DD13.16@44.15,-70.45 44.15,-73.45 45.9,-75.2 47.5,-75.2 R104.1@47.7,-75
NetDD13_17: DD13.17 R91.1 | length 6.9
  Top Layer w0.15: DD13.17@44.65,-70.45 44.65,-73.45 46,-74.8 47.1,-74.8 R91.1@47.7,-74.2
NetDD13_19: DD13.19 R92.1 | length 6.5
  Top Layer w0.15: DD13.19@45.65,-70.45 45.65,-71.378 47.572,-73.3 49.4,-73.3 R92.1@50.1,-74
NetDD13_20: DD13.20 R83.1 | length 8.4
  Top Layer w0.15: DD13.20@46.15,-70.45 46.15,-71.45 47.698,-72.998 49.525,-72.998 49.928,-73.4 51.7,-73.4 52.3,-74 R83.1@52.5,-74
NetDD13_21: DD13.21 R84.1 | length 7.7
  Top Layer w0.15: DD13.21@46.65,-70.45 46.65,-71.495 47.851,-72.695 51.595,-72.695 52.1,-73.2 52.3,-73.2 R84.1@52.5,-73
NetDD13_23: DD13.23 R75.1 | length 5.7
  Top Layer w0.15: DD13.23@47.65,-70.45 47.65,-70.85 48,-71.2 51,-71.2 51.8,-72 R75.1@52.5,-72
NetDD13_24: DD13.24 R76.1 | length 4.9
  Top Layer w0.15: DD13.24@48.15,-70.45 48.15,-70.75 48.298,-70.898 51.698,-70.898 52,-71.2 52.3,-71.2 R76.1@52.5,-71
NetDD13_26: DD13.26 R77.1 | length 3.9
  Top Layer w0.15: DD13.26@49.05,-69.05 49.75,-69.05 50.9,-70.2 R77.1@52.5,-70.2
NetDD13_27: DD13.27 R78.1 | length 3.7
  Top Layer w0.15: DD13.27@49.05,-68.55 50.15,-68.55 50.8,-69.2 R78.1@52.5,-69.2
NetDD13_28: DD13.28 R79.1 | length 3.5
  Top Layer w0.15: DD13.28@49.05,-68.05 52.35,-68.05 R79.1@52.5,-68.2
NetDD13_29: DD13.29 R80.1 | length 8
  Top Layer w0.15: DD13.29@49.05,-67.55 56.95,-67.55 R80.1@57,-67.6
NetDD13_30: DD13.30 R81.1 | length 3.5
  Top Layer w0.15: DD13.30@49.05,-67.05 52.45,-67.05 R81.1@52.5,-67
NetDD13_31: DD13.31 R82.1 | length 8
  Top Layer w0.15: DD13.31@49.05,-66.55 51.75,-66.55 51.9,-66.4 R82.1@57,-66.4
NetDD13_32: DD13.32 R85.1 | length 3.6
  Top Layer w0.15: DD13.32@49.05,-66.05 51.35,-66.05 51.6,-65.8 R85.1@52.5,-65.8
NetDD13_33: DD13.33 R86.1 | length 8.1
  Top Layer w0.15: DD13.33@49.05,-65.55 51.35,-65.55 51.7,-65.2 R86.1@57,-65.2
NetDD13_34: DD13.34 R87.1 | length 3.6
  Top Layer w0.15: DD13.34@49.05,-65.05 51.15,-65.05 51.6,-64.6 R87.1@52.5,-64.6
NetDD13_35: DD13.35 R88.1 | length 8.2
  Top Layer w0.15: DD13.35@49.05,-64.55 49.077,-64.577 51.123,-64.577 51.7,-64 R88.1@57,-64
NetDD13_38: DD13.38 R89.1 | length 6.6
  Top Layer w0.15: DD13.38@47.65,-63.15 47.65,-62.45 48.388,-61.712 50.812,-61.712 R89.1@52.5,-63.4
NetDD13_39: DD13.39 R90.1 | length 11.6
  Top Layer w0.15: DD13.39@47.15,-63.15 47.15,-62.35 48.09,-61.41 50.937,-61.41 52.328,-62.8 R90.1@57,-62.8
NetDD13_40: DD13.40 R93.1 | length 12.1
  Top Layer w0.15: DD13.40@46.65,-63.15 46.65,-62.35 47.893,-61.107 51.063,-61.107 51.955,-62 56.8,-62 R93.1@57,-61.8
NetDD13_41: DD13.41 R94.1 | length 8
  Top Layer w0.15: DD13.41@46.15,-63.15 46.15,-62.422 47.768,-60.805 51.188,-60.805 51.783,-61.4 R94.1@52.5,-61.4
NetDD13_43: DD13.43 R95.1 | length 15.5
  Top Layer w0.15: DD13.43@45.15,-63.15 45.15,-61.033 47.076,-59.107 50.507,-59.107 52.2,-60.8 56.8,-60.8 R95.1@57,-60.6
NetDD13_44: DD13.44 R96.1 | length 11.3
  Top Layer w0.15: DD13.44@44.65,-63.15 44.65,-61.105 46.951,-58.805 50.877,-58.805 52.172,-60.1 52.3,-60.1 R96.1@52.4,-60.2
NetDD13_45: DD13.45 R97.1 | length 16.4
  Top Layer w0.15: DD13.45@44.15,-63.15 44.15,-61.178 46.825,-58.502 51.002,-58.502 52.1,-59.6 R97.1@57,-59.6
NetDD13_46: DD13.46 R98.1 | length 12.4
  Top Layer w0.15: DD13.46@43.65,-63.15 43.65,-61.25 46.7,-58.2 51.6,-58.2 R98.1@52.5,-59.1
NetFU1_2: FU1.2 VD1.1 | length 8.7
  Top Layer w1: VD1.1@111.5,-3.35 111.5,-3.6 112.5,-4.6 FU1.2@119.5,-4.6
NetR17_2: R17.2 R19.3 | length 4.6
  Top Layer w0.2: R19.3@85.9,-63.4 85.9,-63.8 87.197,-65.097 87.197,-65.149 87.2,-65.152 87.2,-67.15 R17.2@87.4,-67.35
NetR18_1: R18.1 R19.1 | length 1.4
  Top Layer w0.2: R19.1@86.9,-63.4 R18.1@86.9,-61.95
NetR41_2: R41.2 XP3.1 | length 15.2
  Top Layer w0.3: XP3.1@134.9,-17.8 135.2,-17.8 142.4,-25 143.6,-25 144.8,-26.2 144.8,-27.4 145,-27.6 R41.2@145.3,-27.6
NetR42_2: R42.2 XP4.1 | length 10.7
  Top Layer w0.15: R42.2@143.5,-27.4 R42.2@143.5,-26.8
  Top Layer w0.3: XP4.1@134.9,-23.2 136.7,-25 141.7,-25 R42.2@143.5,-26.8
NetR43_2: R43.2 XP2.1 | length 15.2
  Top Layer w0.3: v1(144,-22.3) 144,-22.2 144.1,-22.3 144.5,-22.3 R43.2@145.1,-22.9
  Bottom Layer w0.3: XP2.1@134.9,-12.4 134.9,-13 144,-22.1 v1@143.8,-22.3
NetR51_2: R51.2 R52.2 VT1.1 | length 5.6
  Top Layer w0.5: R51.2@131.15,-8.8 R52.2@132.35,-8.8 132.35,-8.15 133.7,-6.8 VT1.1@135.5,-6.8
NetR53_2: R53.2 R61.2 VT2.1 | length 6.1
  Top Layer w0.2: R61.2@146.302,-43.25 145.7,-43.852 145.7,-45.3 146.35,-45.95 R53.2@146.5,-45.95
  Top Layer w0.5: R61.2@146.302,-43.25 R61.2@146.5,-43.25 147.05,-43.25 148.1,-42.2 VT2.1@148.6,-42.2
NetR54_2: R54.2 R68.2 VT3.1 | length 6.4
  Top Layer w0.2: R68.2@146.45,-51.05 145.602,-51.898 145.602,-53.502 145.85,-53.75 R54.2@146.5,-53.75
  Top Layer w0.5: R68.2@146.45,-51.05 146.5,-51.05 147.15,-51.05 148.2,-50 VT3.1@148.6,-50
NetR55_1: R55.1 XS4.1 | length 6.6
  Top Layer w0.15: R55.1@113.6,-65.25 113.7,-65.35 113.7,-65.7 115.425,-67.425 117.425,-67.425 118.1,-68.1 XS4.1@118.1,-68.8
NetR56_1: R56.1 XS4.2 | length 6.8
  Top Layer w0.15: R56.1@114.9,-65.25 114.9,-66.3 115.723,-67.123 118.223,-67.123 119.1,-68 XS4.2@119.1,-68.8
NetR57_1: R57.1 XS4.3 | length 6
  Top Layer w0.15: R57.1@116.2,-65.25 116.2,-65.7 116.5,-66 117.85,-66 120.1,-68.25 XS4.3@120.1,-68.8
NetR58_1: R58.1 XS4.4 | length 5.4
  Top Layer w0.15: R58.1@117.6,-65.25 119.9,-67.55 120.6,-67.55 121.1,-68.05 XS4.4@121.1,-68.8
NetR67_1: R67.1 XP9.8 | length 38.4
  Top Layer w0.5: R67.1@151.6,-15.2 153.1,-16.7 153.1,-20.877 157.37,-25.148 159.87,-25.148 162.052,-27.33 162.052,-42.948 159.62,-45.38 XP9.8@158.2,-45.38
NetR69_1: R69.1 XP9.7 | length 30.9
  Top Layer w0.5: R69.1@151.6,-19.8 151.6,-20.3 157.1,-25.8 159.6,-25.8 161.4,-27.6 161.4,-41.3 159.86,-42.84 XP9.7@158.2,-42.84
NetR70_2: R70.2 XS4.7 | length 2.8
  Top Layer w0.15: R70.2@122.93,-66.533 124.1,-67.702 XS4.7@124.1,-68.8
NetR72_1: R72.1 VT4.1 VT5.3 | length 8.2
  Top Layer w0.3: VT5.3@156.5,-22.6 157.7,-23.8 162.35,-23.8 VT4.1@162.6,-24.05 163,-23.65 R72.1@163.9,-23.65
NetR73_2: R73.2 VT4.3 | length 1.6
  Top Layer w0.3: R73.2@158.9,-22.95 160.25,-22.95 VT4.3@160.4,-23.1
NetR74_1: R74.1 VD13.3 | length 3.2
  Top Layer w0.5: R74.1@142.85,-17.4 142.85,-15.606 VD13.3@143.878,-14.578
NetVD9_2: VD9.2 VD10.1 VT2.2 VT2.4 XP9.9 | length 29.3
  Top Layer w1: VD10.1@152.3,-30.95 VD9.2@155.3,-30.95
  Top Layer w1.5: VT2.4@154.8,-44.5 154.8,-46.5 156.22,-47.92 XP9.9@158.2,-47.92
  Top Layer w2: VT2.2@148.6,-44.5 VT2.4@154.8,-44.5
  Bottom Layer w1: v2(152.4,-44.6) 152.4,-38.7 153.8,-37.3 v2(153.8,-31.1)